# KiCad board RasPi.kicad_pcb
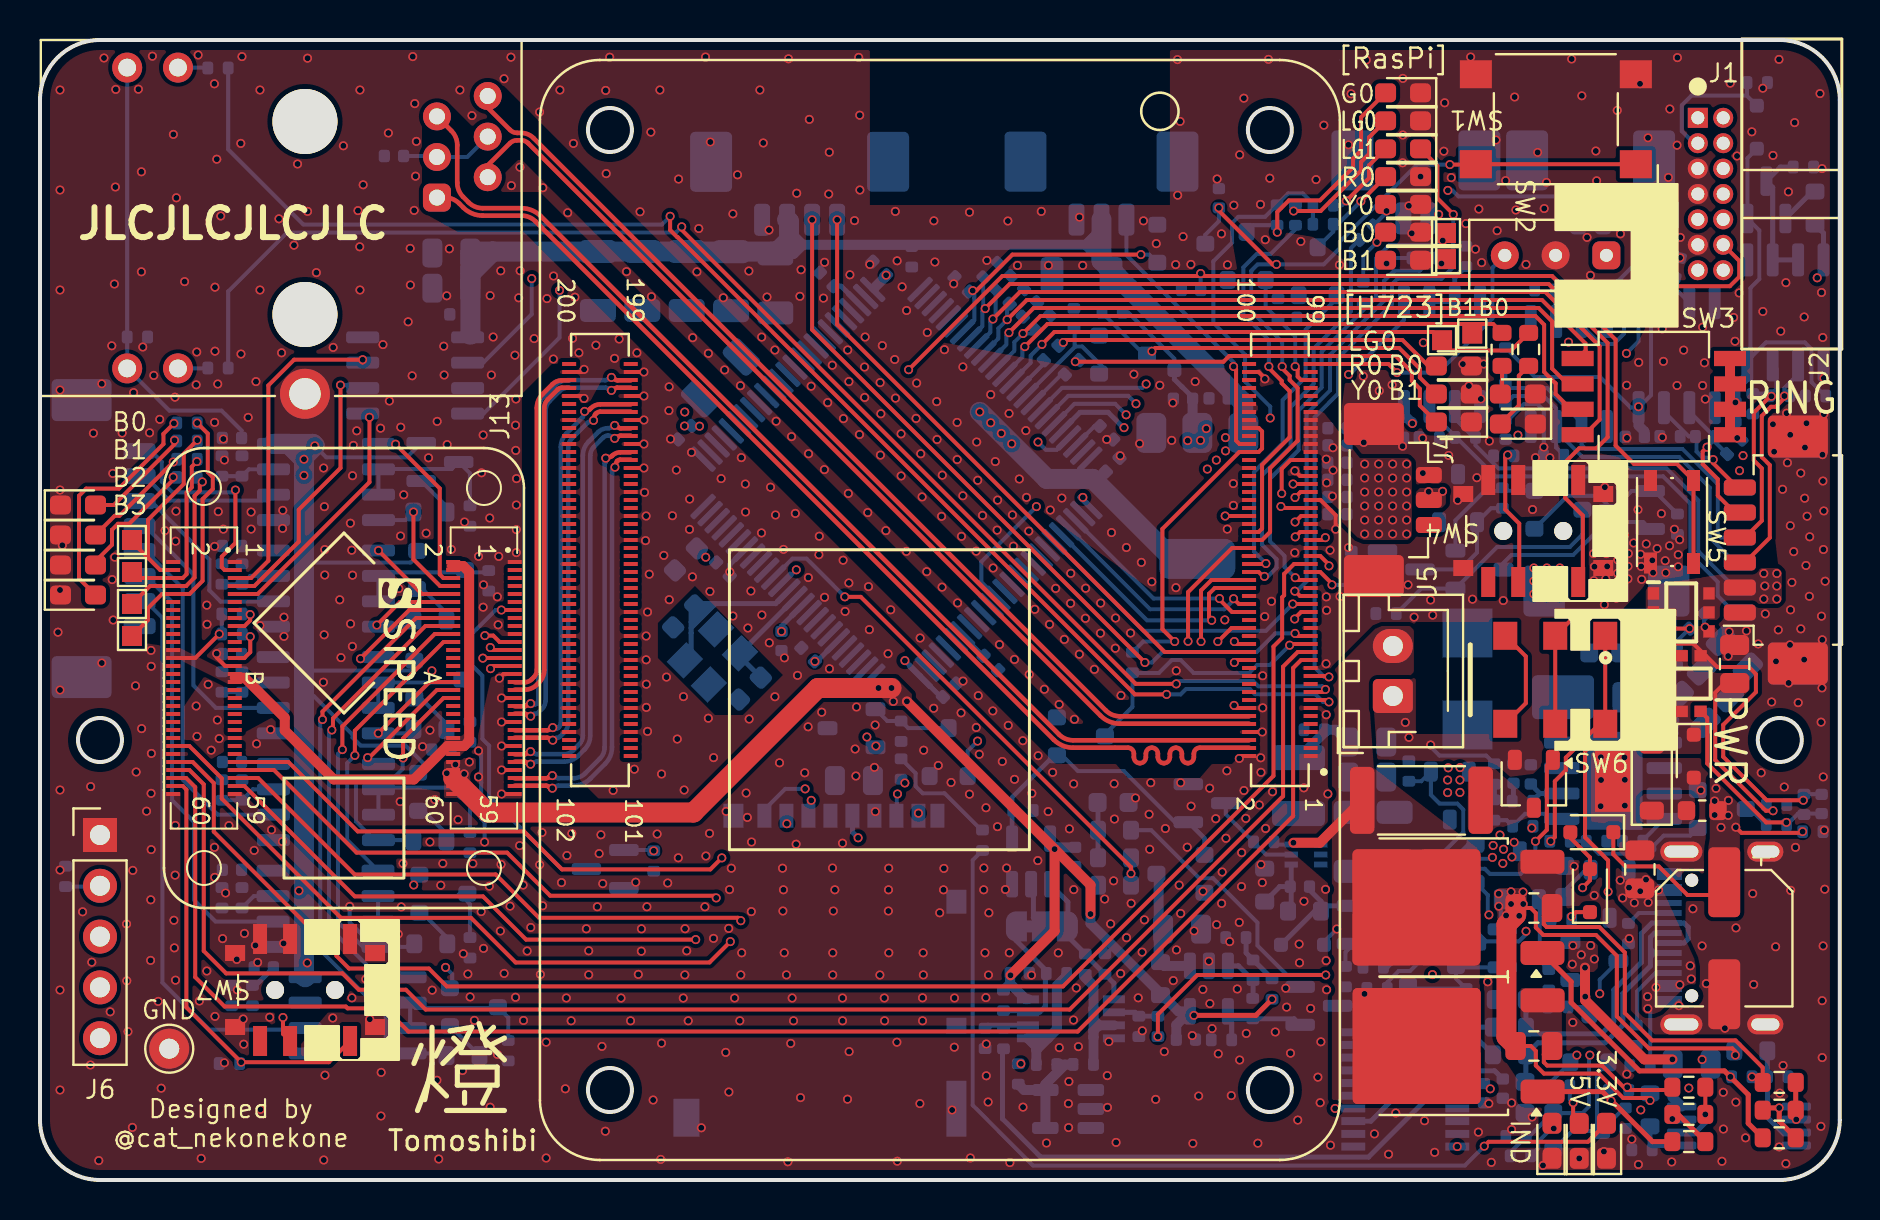
[diagram p0: board, top side]
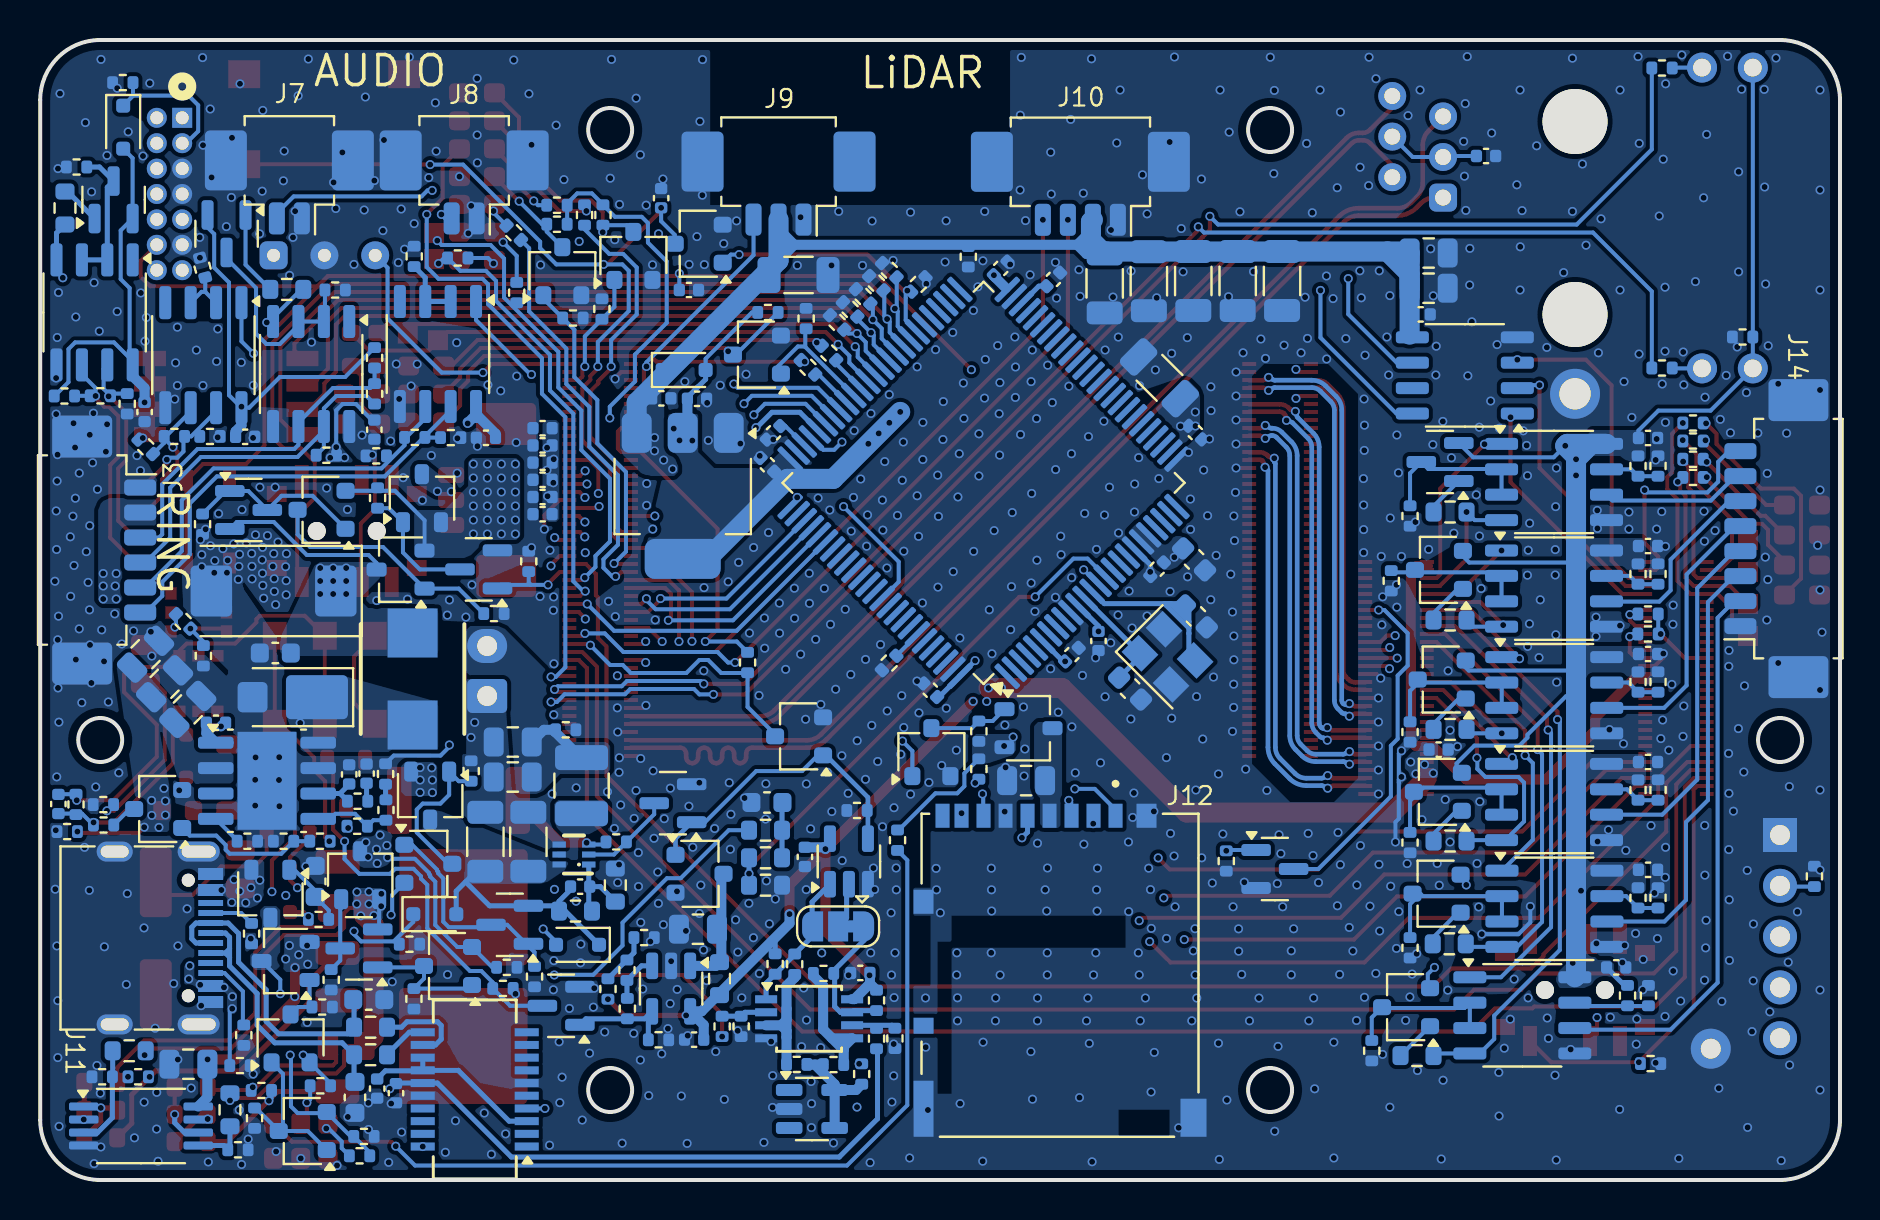
[diagram p1: board, bottom side, seen from below]

Outline 90 x 57 mm; copper layers: Top, In1.Cu, In2.Cu, Bottom. Coordinates in mm from the lower left corner of the outline.
Outline path: circle c3,22 r1.1 ; circle c28.5,52.5 r1.1 ; circle c28.5,4.5 r1.1 ; circle c61.5,52.5 r1.1 ; circle c61.5,4.5 r1.1 ; circle c87,22 r1.1 ; 0,54 0,3 arc(0.88,0.88) 3,0 87,0 arc(89.12,0.88) 90,3 90,54 arc(89.12,56.12) 87,57 3,57 arc(0.88,56.12) 0,54
Stack: Top 0.035mm / dielectric 0.21mm FR4 er 4.4 / In1.Cu 0.0152mm / dielectric 0.5mm FR4 er 4.4 / In2.Cu 0.0152mm / dielectric 0.21mm FR4 er 4.4 / Bottom 0.035mm

## Placement (name value [footprint] x y rotation side)
C1  0.1uF  [C_0402_1005Metric]  41.97 45.58 135 bottom
C2  0.1uF  [C_0402_1005Metric]  57.56 44.5 180 bottom
C3  0.1uF  [C_0402_1005Metric]  32.24 37.37 225 bottom
C4  22pF  [C_0603_1608Metric]  35.5 24.57 45 bottom
C5  22pF  [C_0603_1608Metric]  32.21 28.18 45 bottom
C6  0.1uF  [C_0402_1005Metric]  45.49 24.49 45 bottom
C7  0.1uF  [C_0402_1005Metric]  37.08 26.95 270 bottom
C8  0.1uF  [C_0402_1005Metric]  38.41 26.27 135 bottom
C9  4.7uF  [C_0603_1608Metric]  78.24 26.35 180 bottom
C10  10uF_50V  [C_0805_2012Metric]  84.73 26.29 135 bottom
C11  0.1uF  [C_0402_1005Metric]  73.29 37.52 90 bottom
C12  0.1uF  [C_0402_1005Metric]  67.71 37.11 0 bottom
C13  0.1uF  [C_0402_1005Metric]  79.75 37.16 180 bottom
C14  0.1uF  [C_0402_1005Metric]  11.19 10.63 180 bottom
C15  1uF  [C_0402_1005Metric]  20.07 21.52 180 bottom
C16  10uF_50V  [C_0805_2012Metric]  83.78 24.81 135 bottom
C17  10uF_50V  [C_0805_2012Metric]  82.62 23.53 135 bottom
C18  220uF  [CP_EIA-7343-20_Kemet-V]  78.33 29.45 0 bottom
C19  2.2uF  [C_0402_1005Metric]  39.34 45.03 135 bottom
C20  4.7uF  [C_0603_1608Metric]  32.3 31.03 225 bottom
C21  ADJ_ST  [C_0603_1608Metric]  76.25 14.93 270 bottom
C22  0.1uF  [C_0402_1005Metric]  53.64 35.76 45 bottom
C23  1uF  [C_0402_1005Metric]  89.09 18.8 270 bottom
C24  1uF  [C_0402_1005Metric]  58.94 39.08 180 bottom
C25  1uF  [C_0402_1005Metric]  57.16 39.06 180 bottom
C26  C  [R_0603_1608Metric]  82.45 3.28 0 top
C27  10uF_50V  [C_0805_2012Metric]  84.74 25.8 90 top
C28  0.1uF  [C_0402_1005Metric]  9.6 15.51 180 bottom
C29  47uF  [CP_Elec_6.3x5.4]  84.22 12.09 270 top
C30  0.1uF  [C_0603_1608Metric]  53.66 18.88 0 bottom
C31  0.1uF  [C_0402_1005Metric]  9.6 20.9 180 bottom
C32  100uF  [C_1206_3216Metric]  52.08 45.25 180 bottom
C33  0.1uF  [C_0402_1005Metric]  9.6 26.3 180 bottom
C34  100uF  [C_1206_3216Metric]  34.03 40.11 45 bottom
C35  0.1uF  [C_0402_1005Metric]  9.6 31.7 180 bottom
C36  0.1uF  [C_0402_1005Metric]  9.6 37.1 180 bottom
C37  0.1uF  [C_0402_1005Metric]  64.88 33.29 0 bottom
C38  0.1uF  [C_0402_1005Metric]  84.78 38.4 270 bottom
C39  0.1uF  [C_0402_1005Metric]  64.88 34.15 0 bottom
C40  0.1uF  [C_0402_1005Metric]  64.88 35.01 0 bottom
C41  0.1uF  [C_0402_1005Metric]  64.88 35.87 0 bottom
C42  0.1uF  [C_0402_1005Metric]  64.88 36.73 0 bottom
C43  0.1uF  [C_0402_1005Metric]  58.95 49.09 90 bottom
C44  0.1uF  [C_0402_1005Metric]  64.88 37.59 0 bottom
C45  10uF  [C_0805_2012Metric]  40.7 19.97 180 bottom
C46  0.1uF  [C_0402_1005Metric]  17.7 51.2 180 bottom
C47  1uF  [C_0402_1005Metric]  57.3 7.02 0 bottom
C48  10uF  [C_0805_2012Metric]  80 15.53 270 top
C49  1uF  [C_0402_1005Metric]  48.99 10.35 0 bottom
C50  15pF  [C_0402_1005Metric]  74.55 20.28 90 bottom
C51  0.1uF  [C_0402_1005Metric]  81.21 22.86 180 bottom
C52  22uF  [C_0805_2012Metric]  57.11 12.54 0 bottom
C53  22uF  [C_0805_2012Metric]  20.57 44.59 180 bottom
C54  0.1uF  [C_0402_1005Metric]  20.97 43.28 180 bottom
C55  10uF  [C_0805_2012Metric]  66.37 21.9 180 bottom
C56  100uF  [C_1206_3216Metric]  36.77 44.83 270 bottom
C57  10nF  [C_0402_1005Metric]  63 14.67 180 bottom
C58  47pF  [C_0603_1608Metric]  73.57 9.02 180 bottom
C59  47pF  [C_0603_1608Metric]  74.26 4.13 270 bottom
C60  0.1uF  [C_0402_1005Metric]  73.15 4.57 90 bottom
C61  0.1uF  [C_0402_1005Metric]  72.21 4.34 270 bottom
C62  2.2uF  [C_0402_1005Metric]  53.33 37.36 315 bottom
C63  1uF  [C_0402_1005Metric]  34.15 30.54 315 bottom
C64  22uF  [C_0805_2012Metric]  20.57 46.35 180 bottom
C65  4.7nF  [C_0402_1005Metric]  73.68 20.32 90 bottom
C66  100uF  [C_1206_3216Metric]  65.59 16.91 90 bottom
C67  100uF  [C_1206_3216Metric]  67.74 16.91 90 bottom
C68  10uF  [C_0805_2012Metric]  66.37 20.15 180 bottom
C69  C  [R_0603_1608Metric]  86.97 3.49 0 top
C70  100uF  [C_1206_3216Metric]  34.56 44.94 270 bottom
C71  10uF  [C_0805_2012Metric]  82.59 5.79 180 bottom
C72  0.1uF  [C_0402_1005Metric]  51.76 16.16 90 bottom
C73  100uF  [C_1206_3216Metric]  32.34 44.95 270 bottom
C74  100uF  [C_1206_3216Metric]  27.9 44.95 270 bottom
C75  100uF  [C_1206_3216Metric]  30.12 44.95 270 bottom
D1  1N5819WS  [Diode_SOD-323]  85.85 52.64 270 bottom
D2  Blue  [LED_0603_1608Metric_Pad1.05x0.95mm_HandSolder]  73.9 39.3 180 top
D3  Blue  [LED_0603_1608Metric_Pad1.05x0.95mm_HandSolder]  73.9 37.8 180 top
D4  1N5819WS  [Diode_SOD-323]  77.6 17.39 180 top
D5  1N5819WS  [Diode_SOD-323]  77.51 14.47 90 top
D6  1N5819WS  [Diode_SOD-323]  82.7 21.19 270 top
D7  SS2040FL  [D_SOD-123]  80.6 20.12 90 top
D8  1N5819WS  [Diode_SOD-323]  57.8 40.5 180 bottom
D9  Green  [LED_0603_1608Metric_Pad1.05x0.95mm_HandSolder]  75.61 1.96 90 top
D10  Green  [LED_0603_1608Metric_Pad1.05x0.95mm_HandSolder]  76.97 1.95 90 top
D11  Green  [LED_0603_1608Metric_Pad1.05x0.95mm_HandSolder]  78.33 1.96 90 top
D12  Blue  [LED_0603_1608Metric_Pad1.05x0.95mm_HandSolder]  1.9 33.75 0 top
D13  Blue  [LED_0603_1608Metric_Pad1.05x0.95mm_HandSolder]  1.9 32.25 0 top
D14  Blue  [LED_0603_1608Metric_Pad1.05x0.95mm_HandSolder]  1.9 30.75 0 top
D15  Blue  [LED_0603_1608Metric_Pad1.05x0.95mm_HandSolder]  1.9 29.25 0 top
D16  1N5819WS  [Diode_SOD-323]  63.13 11.76 0 bottom
D17  MA10EB045  [Vishay_SMPA]  77.37 24.14 0 bottom
D18  1N5819WS  [Diode_SOD-323]  70.27 13.29 180 bottom
D19  Blue  [LED_0603_1608Metric_Pad1.05x0.95mm_HandSolder]  68.16 47.39 180 top
D20  Red  [LED_0603_1608Metric_Pad1.05x0.95mm_HandSolder]  70.7 39.3 180 top
D21  LightGreen  [LED_0603_1608Metric_Pad1.05x0.95mm_HandSolder]  70.7 40.7 180 top
D22  Yellow  [LED_0603_1608Metric_Pad1.05x0.95mm_HandSolder]  70.7 37.9 180 top
D23  Green  [LED_0603_1608Metric_Pad1.05x0.95mm_HandSolder]  68.16 54.36 180 top
D24  LightGreen  [LED_0603_1608Metric_Pad1.05x0.95mm_HandSolder]  68.16 52.96 180 top
D25  Yellow  [LED_0603_1608Metric_Pad1.05x0.95mm_HandSolder]  68.16 48.78 180 top
D26  LightGreen  [LED_0603_1608Metric_Pad1.05x0.95mm_HandSolder]  68.16 51.56 180 top
D28  Blue  [LED_0603_1608Metric_Pad1.05x0.95mm_HandSolder]  68.16 45.99 180 top
D29  Red  [LED_0603_1608Metric_Pad1.05x0.95mm_HandSolder]  68.16 50.17 180 top
H1  MountingHole_Pad  [TestPoint_Pad_1.0x1.0mm]  4.6 32 0 top
H2  MountingHole_Pad  [TestPoint_Pad_1.0x1.0mm]  4.6 30.4 0 top
H3  MountingHole_Pad  [TestPoint_Pad_1.0x1.0mm]  4.6 28.8 0 top
H4  MountingHole_Pad  [TestPoint_Pad_1.0x1.0mm]  4.6 27.2 0 top
H5  MountingHole_Pad  [TestPoint_Pad_1.0x1.0mm]  71.62 42.32 0 top
H6  MountingHole_Pad  [TestPoint_Pad_1.0x1.0mm]  70.11 41.99 0 top
H7  MountingHole_Pad  [TestPoint_Pad_1.0x1.0mm]  70.31 47.35 0 top
H8  MountingHole_Pad  [TestPoint_Pad_1.0x1.0mm]  70.31 46.05 0 top
J1  Conn_01x14_Pin  [BoxHeader_2x07_P1.27mm_Horizontal]  82.9 49.3 0 top
J2  Conn_01x06_MountingPin  [Molex_PicoBlade_53261-0671_1x06-1MP_P1.25mm_Horizontal]  87.4 31.5 90 top
J3  Conn_01x06_MountingPin  [Molex_PicoBlade_53261-0671_1x06-1MP_P1.25mm_Horizontal]  87.4 31.5 270 bottom
J4  Conn_01x03_MountingPin  [Molex_PicoBlade_53398-0371_1x03-1MP_P1.25mm_Vertical]  68.2 34 270 top
J5  Conn_01x02_Pin  [JST_XH_B2B-XH-AM_1x02_P2.50mm_Vertical]  67.65 24.2 90 top
J6  Conn_01x05_Pin  [PinHeader_1x05_P2.54mm_Vertical]  3 17.25 0 top
J7  Conn_01x02_MountingPin  [Molex_PicoBlade_53261-0271_1x02-1MP_P1.25mm_Horizontal]  77.54 50.48 0 bottom
J8  Conn_01x02_MountingPin  [Molex_PicoBlade_53261-0271_1x02-1MP_P1.25mm_Horizontal]  68.8 50.48 0 bottom
J9  Conn_01x03_MountingPin  [Molex_PicoBlade_53261-0371_1x03-1MP_P1.25mm_Horizontal]  53.08 50.42 0 bottom
J10  Conn_01x04_MountingPin  [Molex_PicoBlade_53261-0471_1x04-1MP_P1.25mm_Horizontal]  37.98 50.41 0 bottom
J11  USB_C_Receptacle_USB2.0_16P  [USB_C_Receptacle_G-Switch_GT-USB-7010ASV]  85.2 12.1 270 bottom
J12  Micro_SD_Card_Det_Hirose_DM3AT  [Connector_SDCard_DM3AT]  39 10.24 180 bottom
J13  RJ45_LPJK7001AGNL  [Connector_RJ45_LPJK7001AGNL]  13.25 48.1 270 top
J14  Conn_01x08_MountingPin  [Molex_PicoBlade_53261-0871_1x08-1MP_P1.25mm_Horizontal]  2.58 32.07 90 bottom
JP1  VBUS/VDD  [SolderJumper-3_P1.3mm_Bridged12_RoundedPad1.0x1.5mm]  50.1 12.68 0 bottom
L1  1uH  [L_0603_1608Metric]  83.12 18.47 0 top
L2  3.3uH  [Inductor_ECS-MPIL0530]  71.38 25.05 90 bottom
L4  1uH  [L_1210_3225Metric]  62.93 19.72 90 bottom
Q1  S8550  [SOT-23]  80.68 47.31 270 bottom
Q2  S8550  [SC-59]  21.7 8.64 0 bottom
Q3  S8550  [SC-59]  20.17 14.32 0 bottom
Q4  S8550  [SC-59]  20.11 19.41 0 bottom
Q5  S8550  [SC-59]  19.92 25.02 0 bottom
Q6  SSM3J332R  [SOT-23W]  78.49 14.31 270 bottom
Q7  S8550  [SC-59]  76.87 2.45 0 bottom
Q8  SSM3J332R  [SOT-23W]  77.73 10.95 0 bottom
Q9  S8550  [SC-59]  77.48 7.08 90 bottom
Q10  2N7002  [SC-59]  54.16 41.27 0 bottom
Q11  2N7002  [SC-59]  84.1 18.55 0 bottom
Q12  SSM6J808R  [Package_TSOP6F]  82.07 28.38 0 top
Q13  2N7002  [SC-59]  57.07 46.81 0 bottom
Q14  SSM6J808R  [Package_TSOP6F]  82.09 24.82 90 top
Q15  S8550  [SOT-23]  79.58 33.5 180 bottom
Q16  SSM3J332R  [SOT-23W]  71.98 30.52 0 bottom
Q17  S8550  [SC-59]  75.93 33.51 0 bottom
Q18  S8550  [SC-59]  20.06 30.51 0 bottom
Q19  S8550  [SOT-23]  20 35.9 0 bottom
Q20  2N7002  [SC-59]  52.05 22.18 0 bottom
Q21  2N7002  [SOT-23]  28.26 15.55 180 bottom
Q22  S8550  [SOT-23]  86.33 49.01 90 bottom
Q23  2N7002  [SC-59]  63.89 45.44 90 bottom
Q24  2N7002  [SC-59]  60.34 46.2 90 bottom
Q25  2N7002  [SOT-23]  68.07 30.53 0 bottom
Q26  SSM3J332R  [SOT-23W]  70.91 34.09 90 bottom
Q27  2N7002  [SC-59]  45.44 21.39 90 bottom
Q28  SSM3J332R  [SOT-23W]  40.58 22.59 180 bottom
Q29  SSM3J332R  [SOT-23W]  74 15.24 90 bottom
Q30  S8550  [SC-59]  69.61 10.7 0 bottom
Q31  MTP4835I3  [TO-252-2]  70.09 13.63 180 top
Q32  S8550  [SOT-23]  74.06 11.58 0 bottom
Q33  SSM3K344R  [SOT-23W]  74.7 19.81 270 top
Q34  2N7002  [SOT-23]  63.95 8.71 0 bottom
Q35  SSM3J332R  [SOT-23W]  70.5 19.22 270 bottom
Q36  S8550  [SOT-23]  66.52 12.76 0 bottom
Q37  S8550  [SC-59]  70.59 15.81 180 bottom
Q38  2N7002  [SOT-23]  58.36 18.84 0 bottom
Q39  MTP4835I3  [TO-252-2]  70.1 6.7 180 top
Q40  2N7002  [SC-59]  57.03 15.31 180 bottom
R1  1k  [R_0402_1005Metric]  85.87 54.87 0 bottom
R2  10k  [R_0402_1005Metric]  47.55 25.85 315 bottom
R3  510  [R_0402_1005Metric]  66.17 44.37 270 bottom
R4  510  [R_0603_1608Metric]  73.11 41.53 90 top
R5  510  [R_0603_1608Metric]  74.44 41.53 90 top
R6  10k  [R_0402_1005Metric]  48.85 44.18 225 bottom
R7  10k  [R_0402_1005Metric]  49.5 43.53 225 bottom
R8  10k  [R_0402_1005Metric]  47.54 45.49 45 bottom
R9  10k  [R_0402_1005Metric]  50.15 42.88 225 bottom
R10  10k  [R_0402_1005Metric]  48.19 44.84 225 bottom
R11  7.5k  [R_0603_1608Metric]  77.67 44.53 180 bottom
R12  20k  [R_0402_1005Metric]  75.25 44.5 180 bottom
R13  2.2k  [R_0402_1005Metric]  73.28 41.11 270 bottom
R14  2.2k  [R_0402_1005Metric]  75.69 36.24 180 bottom
R15  120  [R_0402_1005Metric]  73.28 39.31 270 bottom
R16  10k  [R_0402_1005Metric]  71.3 46.18 90 bottom
R17  2.2k  [R_0402_1005Metric]  73.2 36.21 180 bottom
R18  2.2k  [R_0402_1005Metric]  69.47 37.12 180 bottom
R19  120  [R_0402_1005Metric]  71.27 37.13 180 bottom
R20  10k  [R_0402_1005Metric]  81.88 45.62 75 bottom
R21  2.2k  [R_0402_1005Metric]  84.72 36.66 225 bottom
R22  2.2k  [R_0402_1005Metric]  81.51 37.18 180 bottom
R23  120  [R_0402_1005Metric]  83.29 37.18 180 bottom
R24  7.5k  [R_0603_1608Metric]  21.15 6.22 180 bottom
R25  20k  [R_0402_1005Metric]  23.41 6.47 270 bottom
R26  2.2k  [R_0402_1005Metric]  10.63 9.22 270 bottom
R27  2.2k  [R_0402_1005Metric]  9.58 9.22 90 bottom
R28  7.5k  [R_0603_1608Metric]  19.5 16.95 180 bottom
R29  5.1k  [R_0402_1005Metric]  1.28 15.18 90 bottom
R30  7.5k  [R_0603_1608Metric]  19.54 11.81 180 bottom
R31  20k  [R_0402_1005Metric]  21.5 11.61 270 bottom
R32  2.2k  [R_0402_1005Metric]  10.1 14.11 270 bottom
R33  2.2k  [R_0402_1005Metric]  9.1 14.11 90 bottom
R34  20k  [R_0402_1005Metric]  21.5 16.87 270 bottom
R35  2.2k  [R_0402_1005Metric]  10.1 19.5 270 bottom
R36  2.2k  [R_0402_1005Metric]  9.1 19.5 90 bottom
R37  7.5k  [R_0603_1608Metric]  19.5 22.53 180 bottom
R38  20k  [R_0402_1005Metric]  21.5 22.4 270 bottom
R39  2.2k  [R_0402_1005Metric]  10.1 24.9 270 bottom
R40  2.2k  [R_0402_1005Metric]  9.1 24.9 90 bottom
R41  7.5k  [R_0603_1608Metric]  19.5 28 180 bottom
R42  510  [R_0402_1005Metric]  69.12 46.1 0 bottom
R43  2k  [R_0402_1005Metric]  72.71 18.5 270 bottom
R44  1k  [R_0402_1005Metric]  80.01 5.72 0 bottom
R45  10k  [R_0402_1005Metric]  71.31 9.06 90 bottom
R46  10k  [R_0402_1005Metric]  76.08 13.03 180 bottom
R47  1k  [R_0402_1005Metric]  71.53 11.79 180 bottom
R48  10k  [R_0402_1005Metric]  73.81 2.18 0 bottom
R49  10k  [R_0402_1005Metric]  79.28 3.09 90 bottom
R50  10k  [R_0402_1005Metric]  75.45 10.01 90 bottom
R51  5.1k  [R_0402_1005Metric]  79.82 7.24 90 bottom
R52  5.1k  [R_0402_1005Metric]  79.43 12.32 90 bottom
R53  10k  [R_0402_1005Metric]  75.9 8.65 0 bottom
R54  2k  [R_0402_1005Metric]  48.18 7.07 270 bottom
R55  22k  [R_0402_1005Metric]  55.9 7.68 270 bottom
R56  10k  [R_0402_1005Metric]  81.84 26.21 270 bottom
R57  2.2k  [R_0402_1005Metric]  47.26 7.08 270 bottom
R58  10k  [R_0402_1005Metric]  82.85 27.93 225 bottom
R59  10k  [R_0402_1005Metric]  88.21 18.78 270 bottom
R60  10k  [R_0402_1005Metric]  76.01 16.94 0 bottom
R61  10k  [R_0402_1005Metric]  86.83 17.75 180 bottom
R62  10k  [R_0402_1005Metric]  77.83 16.94 0 bottom
R63  10k  [R_0402_1005Metric]  81.88 32.79 90 bottom
R64  20k  [R_0402_1005Metric]  86.84 18.77 0 bottom
R65  10k  [R_0402_1005Metric]  67.31 28.32 0 bottom
R66  20k  [R_0402_1005Metric]  88.65 17.42 0 bottom
R67  10k  [R_0402_1005Metric]  4.87 42.15 180 bottom
R68  1k  [R_0603_1608Metric]  53.73 17.49 180 bottom
R69  75k  [R_0603_1608Metric]  53.73 16.11 0 bottom
R70  10k  [R_0603_1608Metric]  53.73 14.74 180 bottom
R71  1k  [R_0402_1005Metric]  74.03 1.21 180 bottom
R72  1k  [R_0402_1005Metric]  75.99 4.71 180 bottom
R73  1k  [R_0402_1005Metric]  47.13 16.99 90 bottom
R74  20k  [R_0402_1005Metric]  22.44 29.96 270 bottom
R75  2.2k  [R_0402_1005Metric]  10.1 30.3 270 bottom
R76  2.2k  [R_0402_1005Metric]  9.1 30.3 90 bottom
R77  7.5k  [R_0603_1608Metric]  19.5 33.4 180 bottom
R78  20k  [R_0402_1005Metric]  21.5 33.2 270 bottom
R79  2.2k  [R_0402_1005Metric]  10.1 35.7 270 bottom
R80  510  [R_0402_1005Metric]  7.35 36.95 0 bottom
R81  510  [R_0402_1005Metric]  7.35 36.04 0 bottom
R82  510  [R_0402_1005Metric]  7.35 35.13 0 bottom
R83  510  [R_0402_1005Metric]  7.35 37.85 0 bottom
R84  10k  [R_0402_1005Metric]  9.47 5.82 180 bottom
R85  5.1k  [R_0402_1005Metric]  9.6 28.3 180 bottom
R86  5.1k  [R_0402_1005Metric]  9.6 27.3 180 bottom
R87  2.2k  [R_0402_1005Metric]  9.1 35.7 90 bottom
R88  10k  [R_0402_1005Metric]  46.09 44.78 135 bottom
R89  10k  [R_0402_1005Metric]  30.69 15.95 270 bottom
R90  7.5k  [R_0603_1608Metric]  88.76 48.6 270 bottom
R91  1k  [R_0402_1005Metric]  66.86 9.58 180 bottom
R92  10k  [R_0402_1005Metric]  54.63 25.87 270 bottom
R93  510  [R_0402_1005Metric]  8.9 55.6 180 bottom
R94  510  [R_0402_1005Metric]  8.9 40.6 180 bottom
R95  20k  [R_0402_1005Metric]  88.18 50.65 0 bottom
R96  2.2k  [R_0402_1005Metric]  88.79 39.2 180 bottom
R97  2.2k  [R_0402_1005Metric]  85.65 38.81 270 bottom
R98  120  [R_0402_1005Metric]  86.99 39.21 180 bottom
R99  13k  [R_0603_1608Metric]  63.23 13.45 0 bottom
R100  1.8k  [R_0603_1608Metric]  61.24 14.74 270 bottom
R101  33  [R_0603_1608Metric]  73.48 6.26 0 bottom
R102  10k  [R_0402_1005Metric]  73.13 34.1 90 bottom
R103  10k  [R_0402_1005Metric]  65.57 30.93 270 bottom
R104  10k  [R_0402_1005Metric]  43.06 22.44 270 bottom
R105  10k  [R_0402_1005Metric]  51.7 43.07 90 bottom
R106  10k  [R_0402_1005Metric]  43.06 20.55 90 bottom
R107  1k  [R_0402_1005Metric]  50.56 41.35 225 bottom
R108  1k  [R_0402_1005Metric]  51.61 40.64 225 bottom
R109  1k  [R_0402_1005Metric]  53.61 43.38 180 bottom
R110  10k  [R_0402_1005Metric]  61.91 43.55 90 bottom
R111  1k  [R_0402_1005Metric]  62.78 48.25 270 bottom
R112  1k  [R_0402_1005Metric]  66.32 47.36 225 bottom
R113  1k  [R_0402_1005Metric]  61.86 48.25 270 bottom
R114  1k  [R_0402_1005Metric]  64.16 48.74 180 bottom
R115  33  [R_0603_1608Metric]  73.48 7.64 0 bottom
R116  22k  [R_0402_1005Metric]  74.13 18.94 0 bottom
R117  10k  [R_0402_1005Metric]  63.36 43.1 180 bottom
R118  10k  [R_0402_1005Metric]  63.72 22.51 180 bottom
R119  100k  [R_0402_1005Metric]  79.64 16.94 0 bottom
R120  1k  [R_0402_1005Metric]  64.16 47.79 0 bottom
R121  22k  [R_0402_1005Metric]  74.15 17.69 0 bottom
R122  2.2k  [R_0402_1005Metric]  72.73 20.3 90 bottom
R123  510  [R_0402_1005Metric]  48.92 5.3 90 bottom
R124  10k  [R_0402_1005Metric]  61.2 16.91 0 bottom
R125  0.1  [R_0805_2012Metric]  74.7 13.6 0 top
R126  R  [R_0603_1608Metric]  86.97 2.11 0 top
R127  R  [R_0603_1608Metric]  86.97 4.88 0 top
R128  100  [R_0603_1608Metric]  85.55 6.46 180 bottom
R129  5.1k  [R_0402_1005Metric]  86.9 5.16 180 bottom
R130  10k  [R_0402_1005Metric]  65.28 10.17 90 bottom
R131  10k  [R_0402_1005Metric]  68.45 20.45 270 bottom
R132  100k  [R_0402_1005Metric]  85.1 5.16 180 bottom
R133  10k  [R_0402_1005Metric]  66.67 10.63 0 bottom
R134  3.3k  [R_0402_1005Metric]  54.95 7.68 270 bottom
R135  2k  [R_0402_1005Metric]  52.17 5.78 180 bottom
R136  5.1k  [R_0402_1005Metric]  53.25 10.8 90 bottom
R137  5.1k  [R_0402_1005Metric]  48.18 8.98 90 bottom
R138  10k  [R_0402_1005Metric]  43.59 46.16 90 bottom
R139  R  [R_0603_1608Metric]  82.45 4.64 0 top
R140  0.1  [R_0805_2012Metric]  74.7 6.7 0 top
R141  100k  [R_0402_1005Metric]  78.94 4.48 180 bottom
R142  100  [R_0603_1608Metric]  80.51 3.51 90 bottom
R143  R  [R_0603_1608Metric]  82.45 1.92 0 top
R144  5.1k  [R_0402_1005Metric]  80.11 1.51 0 bottom
R145  2k  [R_0402_1005Metric]  50.33 5.77 0 bottom
R146  1M  [R_0402_1005Metric]  50.83 10.33 0 bottom
R147  1M  [R_0402_1005Metric]  52.27 10.79 270 bottom
R148  10k  [R_0402_1005Metric]  49.16 18.48 180 bottom
R149  5  [R_2512_6332Metric]  69.08 18.98 180 top
R150  1M  [R_0402_1005Metric]  60.64 8.57 90 bottom
R151  1M  [R_0603_1608Metric]  56.03 10.07 270 bottom
R153  5.1k  [R_0402_1005Metric]  61.61 9.55 270 bottom
R154  10k  [R_0402_1005Metric]  59.8 12.12 180 bottom
R155  10k  [R_0402_1005Metric]  59.08 7.01 0 bottom
R156  2k  [R_0402_1005Metric]  60.66 10.49 90 bottom
SW1  SW_SPST  [SW_SPST_Omron_B3FS-100xP]  75.8 53.04 180 top
SW2  SW_SPDT  [SW_Slide_3P_SPDT]  75.79 46.23 270 top
SW3  SW_DIP_x04  [SW_DIP_SPSTx04_Slide_Copal_CHS-04B_W7.62mm_P1.27mm]  80.7 39.17 0 top
SW4  SW_SPDT  [SW_Slide_DPDT_SSSS820101]  74.67 32.45 180 top
SW5  SW_SPST  [SW_Push_1P1T_NO_Vertical_Wuerth_434133025816]  81.61 32.9 270 top
SW6  SW_SPDT  [SW_Slide_SPDT_SSSS213202]  75.77 25.01 180 top
SW7  SW_SPDT  [SW_Slide_DPDT_SSSS820101]  13.25 9.5 180 top
TP1  TestPoint  [TestPoint_THTPad_D2.0mm_Drill1.0mm]  6.46 6.56 0 top
U1  SBC_RPi-CM4  [SBC_RPi-CM4_NoMountingHoles]  45 28.5 270 top
U2  MAX3485  [SOP-8_3.9x4.9mm_P1.27mm]  76.45 40.3 270 bottom
U3  MAX3485  [SOP-8_3.9x4.9mm_P1.27mm]  70.11 41.3 270 bottom
U4  MAX3485  [SOP-8_3.9x4.9mm_P1.27mm]  81.84 41.24 270 bottom
U5  MAX3485  [SOP-8_3.9x4.9mm_P1.27mm]  15.88 8.23 180 bottom
U6  FT231XS  [SSOP-20_3.9x8.7mm_P0.635mm]  68.27 4.53 0 bottom
U7  -  [FPGA_TangPrimer25K_Core]  15.2 25.1 270 top
U8  MAX3485  [SOP-8_3.9x4.9mm_P1.27mm]  14.28 13.56 180 bottom
U9  MAX3485  [SOP-8_3.9x4.9mm_P1.27mm]  14.3 18.9 180 bottom
U10  MAX3485  [SOP-8_3.9x4.9mm_P1.27mm]  14.29 24.24 180 bottom
U11  MAX3485  [SOP-8_3.9x4.9mm_P1.27mm]  14.3 29.57 180 bottom
U12  MAX3485  [SOP-8_3.9x4.9mm_P1.27mm]  14.3 34.9 180 bottom
U13  TPS54560BDDA  [Texas_R-PDSO-G8_EP2.95x4.9mm_Mask2.4x3.1mm_ThermalVias]  78.66 19.96 180 bottom
U14  MAX3485  [SOP-8_3.9x4.9mm_P1.27mm]  87.28 43.38 270 bottom
U15  STM32H723VGTx  [LQFP-100_14x14mm_P0.5mm]  42.83 34.86 45 bottom
U16  AZ1117CH-3.3  [SOT-223-3_TabPin2]  57.87 34.2 270 bottom
U17  NJU7109  [SOT-23-5]  58.45 9.57 270 bottom
U18  DAC_PT8211S  [SOP-8_3.9x4.9mm_P1.27mm]  18.76 40.23 0 bottom
U19  -  [DCDC_TPS61023]  63.31 16.27 0 bottom
U22  NJM2732  [Package_TSSOP-8_4.4x3.5mm_P0.65mm]  84.96 2.7 180 bottom
U23  NJM2380  [SOT-23-5]  51.41 3.55 180 bottom
U24  NJU77242  [TSSOP-8_3x3mm_P0.65mm]  51.55 8.06 180 bottom
U25  74AHC1G00  [SOT-23-5]  49.56 15.93 90 bottom
Y1  16MHz  [Crystal_SMD_3225-4Pin_3.2x2.5mm]  33.63 26.16 225 bottom